# Altium PCB LimeKEY-RPCM_1v1.PcbDoc (part 2 of 8) (continued)
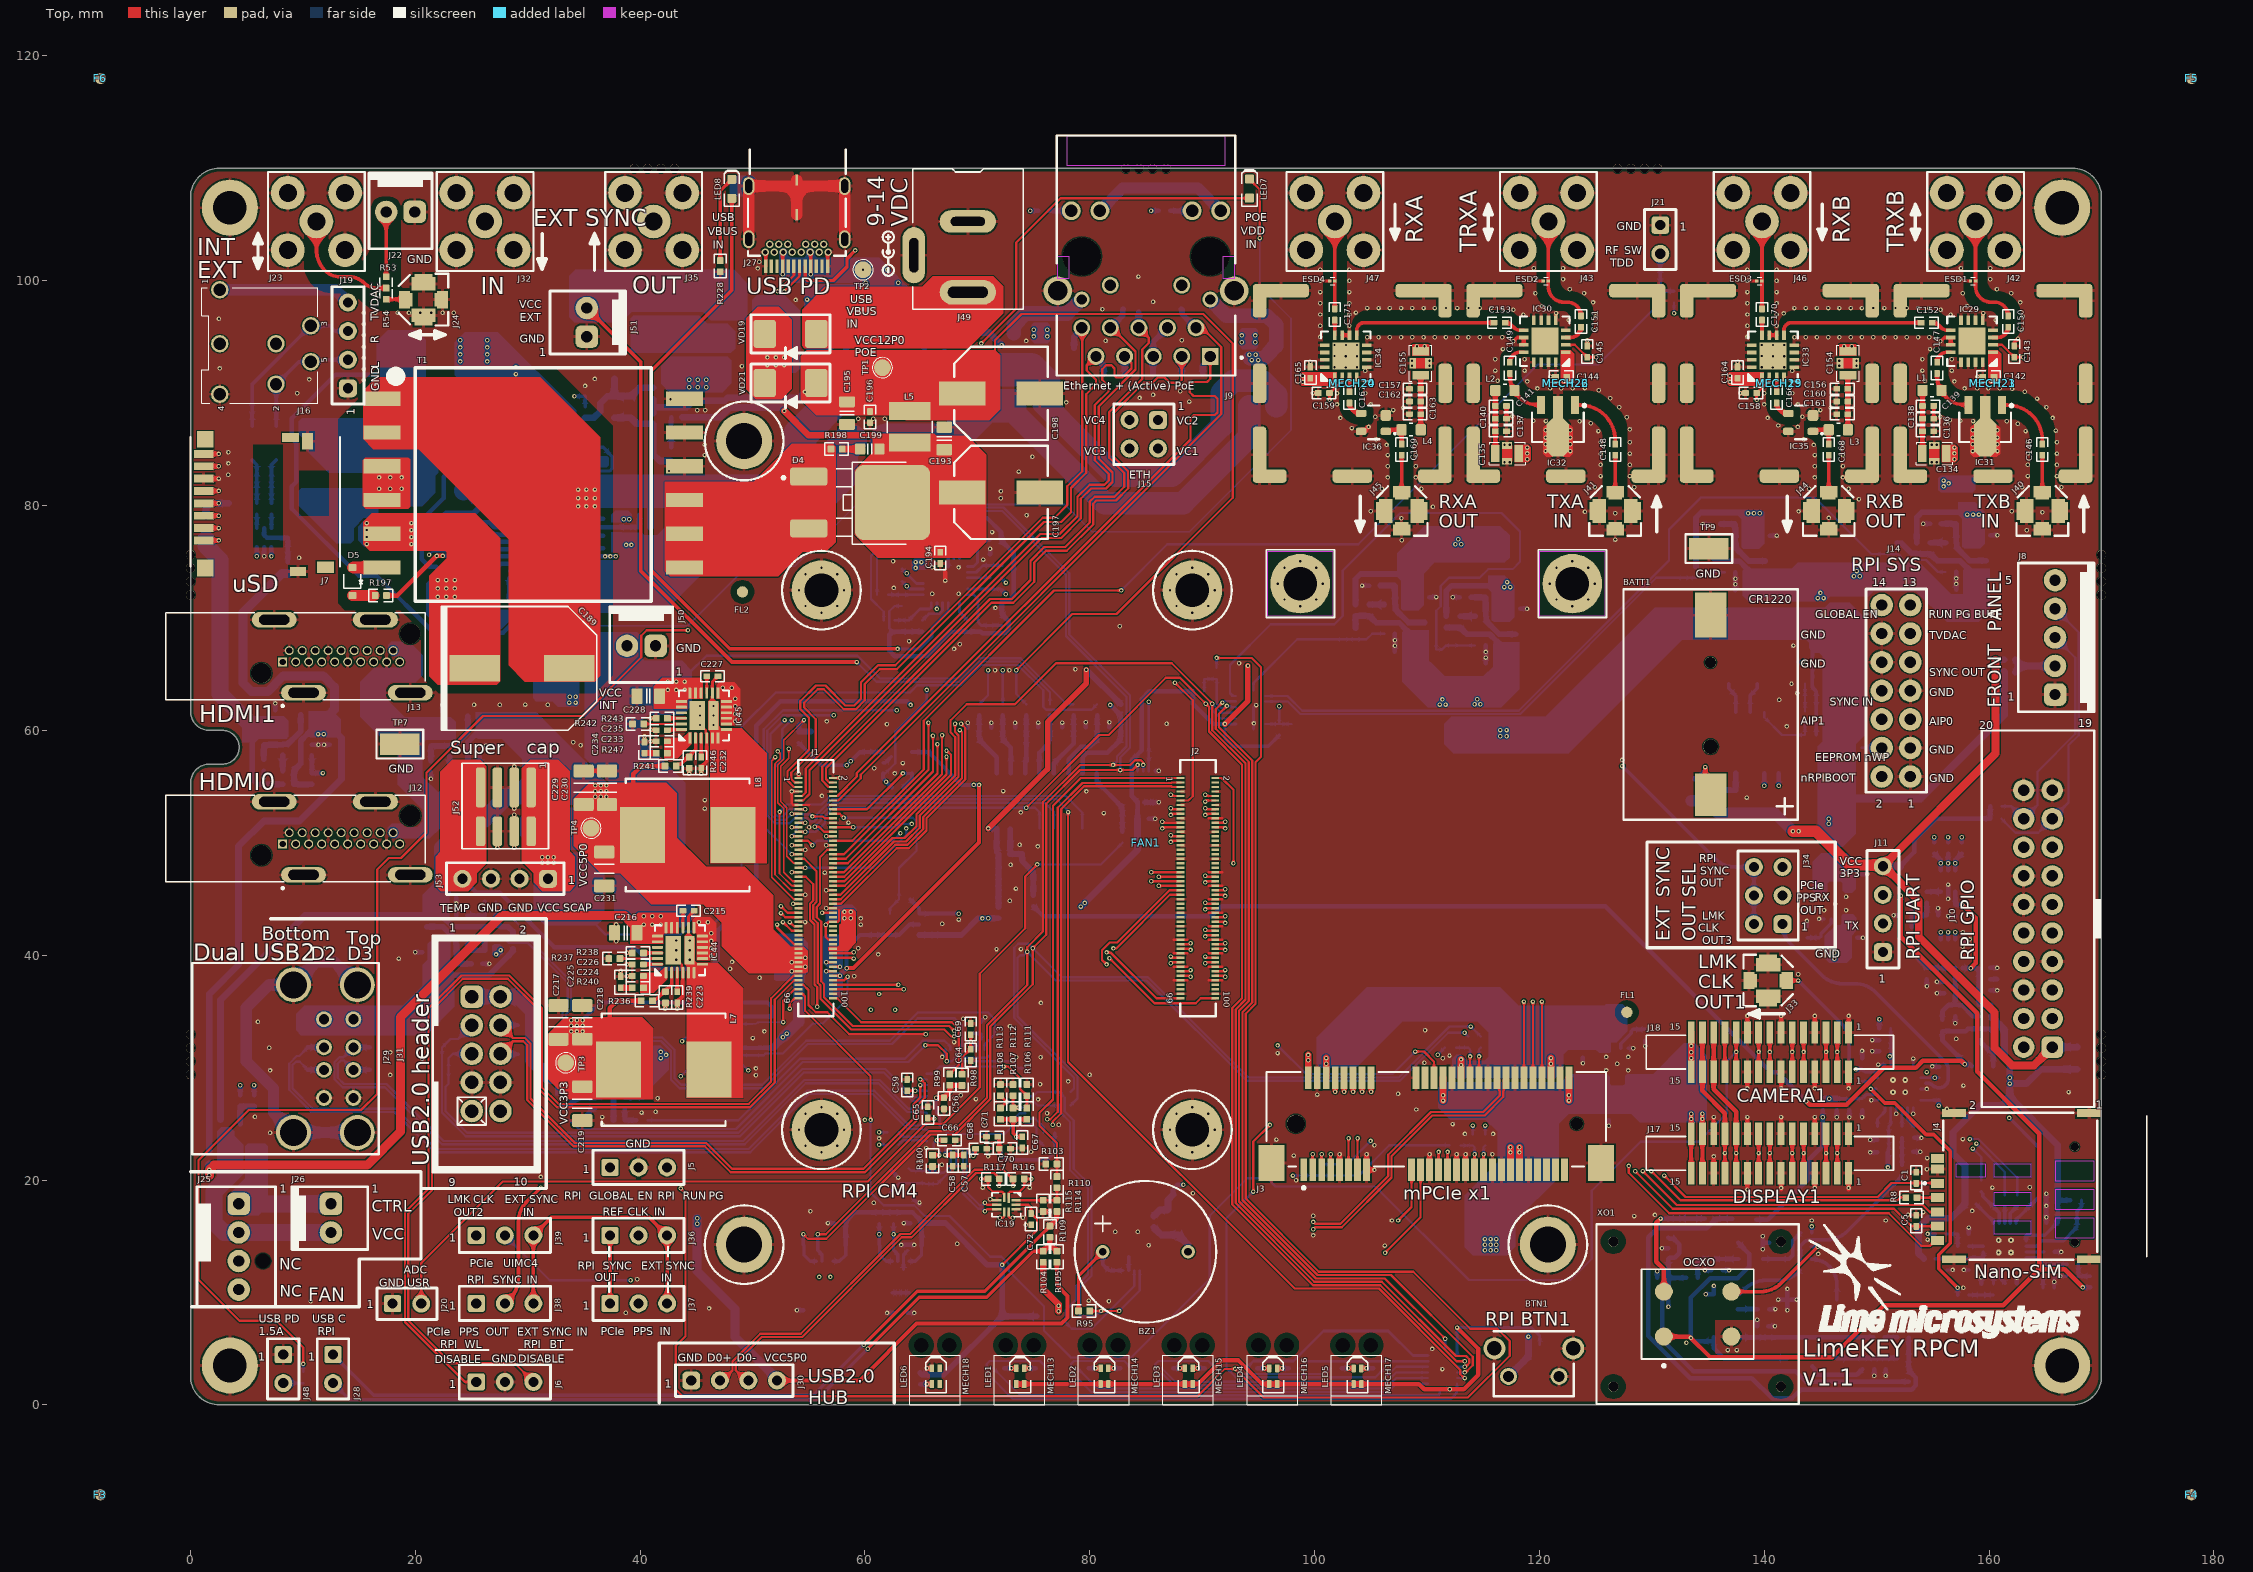
[diagram p0: Top view]
## Footprints (in the part's own frame and the unit in brackets; to place one, negate y for a bottom-side part, rotate by r counter-clockwise, add the part's x,y. Pads: shape width x height; smd on the part's side, far side on the other; paste and mask are expansions set on the pad) (continued)
  rrect50% 2x2 hole 1: 1(3.814,0)
  round 2 hole 1: 2(1.271,0) 3(-1.271,0) 4(-3.814,0)
  silkscreen extent -5.34,-3.28 5.34,3.7, body extent -5.1,-2.54 5.1,3.3, height 9.84
Header1x5_TH_LOCKING [mm]
  rrect50% 2x2 hole 1: 1(5.086,0)
  round 2 hole 1: 2(2.543,0) 3(0,0) 4(-2.543,0) 5(-5.086,0)
  silkscreen extent -6.61,-3.28 6.61,3.45, body extent -6.35,-2.9 6.35,2.9, height 11.52
HEADER2X2_TH [mm]
  rrect50% 1.6x1.6 hole 0.9: 1(-1.271,-1.271)
  round 1.6 hole 0.9: 2(-1.271,1.271) 3(1.271,-1.271) 4(1.271,1.271)
  silkscreen extent -2.7,-2.68 2.68,2.7, body extent -2.54,-2.54 2.54,2.54, height 8.54
Header3x2 [mm]
  rrect50% 1.6x1.6 hole 0.9: 1(-1.271,-1.271)
  round 1.6 hole 0.9: 2(-1.271,1.271) 3(1.271,-1.271) 4(1.271,1.271) 5(3.814,-1.271) 6(3.814,1.271)
  silkscreen extent -2.68,-2.68 5.23,2.68, body extent -2.54,-2.54 5.08,2.54, height 8.54
HEADER4X1_TH [mm]
  rrect50% 1.6x1.6 hole 0.9: 1(-3.814,0)
  round 1.6 hole 0.9: 2(-1.271,0) 3(1.271,0) 4(3.814,0)
  silkscreen extent -5.23,-1.43 5.23,1.4, body extent -5.08,-1.27 5.08,1.27, height 8.54
Header5x2_TH [mm]
  rrect50% 2x2 hole 1.2: 1(-5.086,-1.271)
  round 2 hole 1.2: 2(-5.086,1.271) 3(-2.543,-1.271) 4(-2.543,1.271) 5(0,-1.271) 6(0,1.271) 7(2.543,-1.271) 8(2.543,1.271) 9(5.086,-1.271) 10(5.086,1.271)
  silkscreen extent -10.5,-4.75 10.5,4.75, body extent -10.18,-4.44 10.14,4.45, height 9.55
Header7x2_TH [mm] "JTAG"
  round 2 hole 1: 1(-7.629,-1.271) 2(-7.629,1.271) 3(-5.086,-1.271) 4(-5.086,1.271) 5(-2.543,-1.271) 6(-2.543,1.271) 7(0,-1.271) 8(0,1.271) 9(2.543,-1.271) 10(2.543,1.271) 11(5.086,-1.271) 12(5.086,1.271) 13(7.629,-1.271) 14(7.629,1.271)
  silkscreen extent -9.03,-2.7 9.04,2.68, body extent -8.9,-2.54 8.9,2.54, height 8.54
HEADER10X2_TH_LOCK [mm]
  rrect50% 1.9x1.9 hole 1 mask+0.05: 1(-11.43,-1.27)
  round 1.9 hole 1 mask+0.05: 2(-11.43,1.27) 3(-8.89,-1.27) 4(-8.89,1.27) 5(-6.35,-1.27) 6(-6.35,1.27) 7(-3.81,-1.27) 8(-3.81,1.27) 9(-1.27,-1.27) 10(-1.27,1.27) 11(1.27,-1.27) 12(1.27,1.27) 13(3.81,-1.27) 14(3.81,1.27) 15(6.35,-1.27) 16(6.35,1.27) 17(8.89,-1.27) 18(8.89,1.27) 19(11.43,-1.27) 20(11.43,1.27)
  silkscreen extent -16.75,-5.6 16.75,5, body extent -16.51,-4.5 16.51,4.6, height 9
HWSON8_LM75 [mm]
  rect 0.625x0.25 smd mask+0.05: 1(-1.4,0.75) 2(-1.4,0.25) 3(-1.4,-0.25) 4(-1.4,-0.75) 5(1.4,-0.75) 6(1.4,-0.25) 7(1.4,0.25) 8(1.4,0.75)
  rect 1.6x1.6 smd mask+0.05: 9(0,0)
  silkscreen extent -1.9,-1.63 1.9,1.6, body extent -1.51,-1.5 1.51,1.5, height 0.8
IRF9358TRPBF_DUAL_NMOS_SOIC8 [mm] "8-Pin Small Outline Integrated Circuit 1.27 mm Pitch"
  oval 1.7x0.6 smd mask+0.05: 1(-2.55,1.905) 2(-2.55,0.635) 3(-2.55,-0.635) 4(-2.55,-1.905) 5(2.55,-1.905) 6(2.55,-0.635) 7(2.55,0.635) 8(2.55,1.905)
  silkscreen extent -2.57,-2.5 1.2,2.88, body extent -3,-2.45 3,2.45, height 1.75
KMB210S_RECTIFIER_BRIDGE [mm]
  rect 0.9x1.84 smd mask+0.05: 1(1.2,3) 2(-1.2,3) 3(-1.2,-3) 4(1.2,-3)
  Top pour cut-out: -2.5,-1.3 -2.5,1.3 2.525,1.3 2.525,-1.3
  silkscreen extent -3.28,-2.97 3.29,3.46, body extent -2.31,-3.35 2.41,3.35, height 2.71
LED-2x0603 [mm]
  round 0.254 on Mech15: 0(0,0)
  rrect25% 0.7x0.4 smd: 1(-0.775,0.325) 2(-0.775,-0.375) 3(0.625,0.325) 4(0.625,-0.375)
  Top pour cut-out: -0.5,0.5 0.5,0.5 0.5,-0.5 -0.5,-0.5
  silkscreen extent -1.55,-0.95 1.68,0.9, body extent -0.8,-0.42 0.8,0.38, height 0.75
LED-0603-GREEN [mm]
  round 0.254 on Mech15: 0(0,0)
  rrect25% 0.8x0.8 smd: A(-0.85,0) K(0.85,0)
  Top pour cut-out: -0.5,0.5 0.5,0.5 0.5,-0.5 -0.5,-0.5
  silkscreen extent -1.55,-0.67 1.68,0.67, body extent -0.8,-0.4 0.8,0.4, height 0.75
LIGHT_PIPE_RIGHT_ANGLE_SLP3-200-100-F [mm]
  round 0.9 hole 1.3 unplated: 0(0,1.225) 0(0,-1.275)
  Top pour cut-out: 0,-1.275 -1.1,-1.275 -1.1,-1.166 -1.058,-0.954 -0.975,-0.754 -0.854,-0.573 -0.701,-0.42 -0.521,-0.3 -0.321,-0.217 -0.108,-0.175 0,-0.175 0,-0.175
  Top pour cut-out: 0,-1.275 1.1,-1.275 1.1,-1.383 1.058,-1.595 0.975,-1.796 0.854,-1.976 0.701,-2.129 0.521,-2.249 0.321,-2.332 0.108,-2.375 0,-2.375 0,-2.375
  Top pour cut-out: 0,-1.275 0,-2.375 -0.108,-2.375 -0.321,-2.332 -0.521,-2.249 -0.701,-2.129 -0.854,-1.976 -0.975,-1.796 -1.058,-1.595 -1.1,-1.383 -1.1,-1.275 -1.1,-1.275
  Top pour cut-out: 0,-1.275 0,-0.175 0.108,-0.175 0.321,-0.217 0.521,-0.3 0.701,-0.42 0.854,-0.573 0.975,-0.754 1.058,-0.954 1.1,-1.166 1.1,-1.275 1.1,-1.275
  Top pour cut-out: 0,1.225 -1.1,1.225 -1.1,1.334 -1.058,1.546 -0.975,1.746 -0.854,1.927 -0.701,2.08 -0.521,2.2 -0.321,2.283 -0.108,2.325 0,2.325 0,2.325
  Top pour cut-out: 0,1.225 1.1,1.225 1.1,1.117 1.058,0.905 0.975,0.704 0.854,0.524 0.701,0.371 0.521,0.251 0.321,0.168 0.108,0.125 0,0.125 0,0.125
  Top pour cut-out: 0,1.225 0,0.125 -0.108,0.125 -0.321,0.168 -0.521,0.251 -0.701,0.371 -0.854,0.524 -0.975,0.704 -1.058,0.905 -1.1,1.117 -1.1,1.225 -1.1,1.225
  Top pour cut-out: 0,1.225 0,2.325 0.108,2.325 0.321,2.283 0.521,2.2 0.701,2.08 0.854,1.927 0.975,1.746 1.058,1.546 1.1,1.334 1.1,1.225 1.1,1.225
  silkscreen extent 0.89,-2.29 5.3,2.21, body extent -1.07,-2.32 7.82,2.21, height 6.62
LMK00105SQ [mm] "QFN, 24-Leads, Body 4,00x4,00mm, Pitch 0,50mm, Thermal Pad 2,60x2,60mm, IPC Medium Density"
  oval 0.9x0.25 smd mask+0.05: 1(-1.925,1.25) 2(-1.925,0.75) 3(-1.925,0.25) 4(-1.925,-0.25) 5(-1.925,-0.75) 6(-1.925,-1.25) 13(1.925,-1.25) 14(1.925,-0.75) 15(1.925,-0.25) 16(1.925,0.25) 17(1.925,0.75) 18(1.925,1.25)
  oval 0.25x0.9 smd mask+0.05: 7(-1.25,-1.925) 8(-0.75,-1.925) 9(-0.25,-1.925) 10(0.25,-1.925) 11(0.75,-1.925) 12(1.25,-1.925) 19(1.25,1.925) 20(0.75,1.925) 21(0.25,1.925) 22(-0.25,1.925) 23(-0.75,1.925) 24(-1.25,1.925)
  rect 2.5x2.5 smd mask+0.05: 25(0,0)
  silkscreen extent -2.3,-2.3 2.3,2.3, body extent -2,-2 2,2, height 1
M24128-DFMC6TG [mm] "8-UFDFPN (2x3)"
  rect 0.65x0.3 smd mask+0.045: 1(-1.4,0.75) 2(-1.4,0.25) 3(-1.4,-0.25) 4(-1.4,-0.75) 5(1.4,-0.75) 6(1.4,-0.25) 7(1.4,0.25) 8(1.4,0.75)
  rect 1.7x1.7 smd mask+0.05: PAD(0,0)
  silkscreen extent -2.06,-1.1 0.9,1.1, body extent -1.52,-1.01 1.52,0.99, height 0.9
MCP3208-CI/SL_SOIC16 [mm] "SOIC, 16-Leads, Body 9.9x3.9mm, Pitch 1.27mm, IPC Low Density"
  oval 2.5x0.7 smd: 1(-2.45,4.445) 2(-2.45,3.175) 3(-2.45,1.905) 4(-2.45,0.635) 5(-2.45,-0.635) 6(-2.45,-1.905) 7(-2.45,-3.175) 8(-2.45,-4.445) 9(2.45,-4.445) 10(2.45,-3.175) 11(2.45,-1.905) 12(2.45,-0.635) 13(2.45,0.635) 14(2.45,1.905) 15(2.45,3.175) 16(2.45,4.445)
  silkscreen extent -2.57,-5 0.8,5.47, body extent -3,-4.95 3,4.95, height 1.4
MICRO_SD_CARD_114-00841-68_v2 [mm]
  rect 0.7x1.75 smd mask+0.1: 1(3.2,-5.412) 6(-2.3,-5.412)
  rect 0.701x1.753 smd mask+0.1: 2(2.1,-5.412) 8(-4.5,-5.412)
  rect 0.701x1.752 smd mask+0.1: 3(1,-5.412) 4(-0.1,-5.412) 5(-1.2,-5.412) 7(-3.4,-5.412)
  rect 1.501x1.501 smd mask+0.1: 9(-5.8,-5.288)
  rect 1.502x1.502 smd mask+0.1: 10(5.65,-5.288)
  rect 0.801x1.501 smd mask+0.1: 11(-5.975,2.312)
  rect 0.8x1.401 smd mask+0.1: 12(5.975,2.963)
  rect 1.5x1 smd mask+0.1: 13(-5.62,3.812)
  rect 1.001x1.502 smd mask+0.1: 14(5.575,5.413)
  Top pour cut-out: 3.8,-1 -5.3,-1 -5.3,1.6 3.8,1.6
  Top pour cut-out: 1,3.1 -3,3.1 -3,5.7 1,5.7
  silkscreen extent -6,-6.6 5.5,6.7, body extent -6,-9.9 6,5.75, height 1.6
MINIPCIE_CONNECTOR_XTRX [mm]
  rect 0.6x2 smd paste+0 mask+0: 1(-11.8,-4.5) 2(-11.4,3.7) 3(-11,-4.5) 4(-10.6,3.7) 5(-10.2,-4.5) 6(-9.8,3.7) 7(-9.4,-4.5) 8(-9,3.7) 9(-8.6,-4.5) 10(-8.2,3.7) 11(-7.8,-4.5) 12(-7.4,3.7) 13(-7,-4.5) 14(-6.6,3.7) 15(-6.2,-4.5) 16(-5.8,3.7) 17(-2.2,-4.5) 18(-1.8,3.7) 19(-1.4,-4.5) 20(-1,3.7) 21(-0.6,-4.5) 22(-0.2,3.7) 23(0.2,-4.5) 24(0.6,3.7) 25(1,-4.5) 26(1.4,3.7) 27(1.8,-4.5) 28(2.2,3.7) 29(2.6,-4.5) 30(3,3.7) 31(3.4,-4.5) 32(3.8,3.7) 33(4.2,-4.5) 34(4.6,3.7) 35(5,-4.5) 36(5.4,3.7) 37(5.8,-4.5) 38(6.2,3.7) 39(6.6,-4.5) 40(7,3.7) 41(7.4,-4.5) 42(7.8,3.7) 43(8.2,-4.5) 44(8.6,3.7) 45(9,-4.5) 46(9.4,3.7) 47(9.8,-4.5) 48(10.2,3.7) 49(10.6,-4.5) 50(11,3.7) 51(11.4,-4.5) 52(11.8,3.7)
  rect 2.3x3.2 smd paste+0 mask+0: 53(-14.65,-3.9) 54(14.65,-3.9)
  round 5.3 hole 3: MH1(-12.1,47.65) MH2(12.1,47.65)
  round 1.6 hole 1.6 unplated paste-1000 mask+0: ""(-12.5,-0.4)
  round 1.1 hole 1.1 unplated paste-1000 mask+0: ""(12.5,-0.4)
  KeepOutLayer region: -9.2,44.75 -15,44.75 -15,50.55 -9.2,50.55 hole: -12.1,48.961 -12.439,48.917 -12.756,48.786 -13.027,48.577 -13.236,48.306 -13.367,47.989 -13.411,47.65 -13.367,47.311 -13.236,46.994 -13.027,46.723 -12.756,46.514 -12.439,46.383 -12.1,46.339 -11.761,46.383 -11.444,46.514 -11.173,46.723 -10.964,46.994 -10.833,47.311 -10.789,47.65 -10.833,47.989 -10.964,48.306 -11.173,48.577 -11.444,48.786 -11.761,48.917
  KeepOutLayer region: 9.2,44.75 9.2,50.55 15,50.55 15,44.75 hole: 13.411,47.65 13.367,47.989 13.236,48.306 13.027,48.577 12.756,48.786 12.439,48.917 12.1,48.961 11.761,48.917 11.444,48.786 11.173,48.577 10.964,48.306 10.833,47.989 10.789,47.65 10.833,47.311 10.964,46.994 11.173,46.723 11.444,46.514 11.761,46.383 12.1,46.339 12.439,46.383 12.756,46.514 13.027,46.723 13.236,46.994 13.367,47.311
  silkscreen extent -15.1,-6.22 15.1,4.2, body extent -15.19,-4.98 15.35,50.4, height 6.63
MMCX_UFL_conn_u [mm]
  rect 1.55x1 smd mask+0.05: 1(0,1.7) 2(0,-1.7)
  rect 1.2x1.2 smd mask+0.05: 1(0,1.6) 2(0,-1.6)
  rect 1.2x1.6 smd mask+0.05: 2(-1.7,0) 2(1.7,0)
  rect 1.2x2.15 smd mask+0.05: 2(-1.4,0) 2(1.4,0)
  silkscreen extent -2.3,-2.2 2.3,2.2, body extent -1.5,-1.55 1.5,1.55, height 1.25
NANO_SIM_SIM8066-6-1-14-01-A [mm]
  rect 0.8x1.14 smd mask+0.05: C1(0.25,7.37) C2(-2.29,7.37) C3(-4.83,7.37) C6(-1.02,7.37) C7(-3.56,7.37)
  rect 0.8x1.14 smd mask+0.1: C5(1.52,7.37) CD(2.47,7.37)
  rect 0.7x2.1 smd: G1(-6.5,5.89) G2(6.5,5.89) G3(-6.5,-6.11) G4(6.5,-6.11)
  round 0.75 hole 0.75 unplated mask+0: ""(-5,-4.86) ""(3.5,-4.86)
  Top keep-out region: 2,3.135 0.8,3.135 0.8,5.685 2,5.685
  Top keep-out region: -3.08,-0.915 -4.28,-0.915 -4.28,2.295 -3.08,2.295
  Top keep-out region: -0.54,-0.915 -1.74,-0.915 -1.74,2.295 -0.54,2.295
  Top keep-out region: 2,-0.915 0.8,-0.915 0.8,2.295 2,2.295
  Top keep-out region: 2.285,-6.56 0.435,-6.56 0.435,-3.16 2.285,-3.16
  Top keep-out region: -0.255,-6.56 -2.105,-6.56 -2.105,-3.16 -0.255,-3.16
  Top keep-out region: -2.795,-6.56 -4.645,-6.56 -4.645,-3.16 -2.795,-3.16
  silkscreen extent -6.55,-11.25 6.55,8.59, body extent -6.54,-7.19 6.55,7.39, height 1.44
NCP1083_PoE_controller_TSSOP20 [mm]
  rect 1.6x0.36 smd mask+0.05: 1(-3.004,2.925) 2(-3.004,2.275) 3(-3.004,1.625) 4(-3.004,0.975) 5(-3.004,0.325) 6(-3.004,-0.325) 7(-3.004,-0.975) 8(-3.004,-1.625) 9(-3.004,-2.275) 10(-3.004,-2.925) 11(3.004,-2.925) 12(3.004,-2.275) 13(3.004,-1.625) 14(3.004,-0.975) 15(3.004,-0.325) 16(3.004,0.325) 17(3.004,0.975) 18(3.004,1.625) 19(3.004,2.275) 20(3.004,2.925)
  rect 3.1x4.3 smd mask+0.05: PAD(0,0)
  silkscreen extent -3.9,-3.38 2.06,3.6, body extent -3.2,-3.25 3.2,3.25, height 1.2
NRS4018T3R3MDGJ_inductor [mm]
  rect 1.6x3.7 smd mask+0.05: 1(-1.4,0) 2(1.4,0)
  silkscreen extent -0.5,-2 0.5,2, body extent -2,-2 2,2, height 1.89
NZH10C,115_shottky_diode_SOD123 [mm]
  round 0.508 on Mech14: 0(0,0)
  rrect25% 0.91x1.22 smd: A(1.65,0) C(-1.65,0)
  silkscreen extent -1.58,-1 1.45,0.85, body extent -1.95,-0.9 1.95,0.9, height 1.18
PCB_standoff [mm]
  round 5 hole 3: MH1(0,0)
  body extent -2.86,-2.5 2.91,2.5, height 5.2
PCF85063AT_RTC_SOIC-8 [mm]
  rect 1.525x0.65 smd: 1(-2.712,1.905) 2(-2.712,0.635) 3(-2.712,-0.635) 4(-2.712,-1.905) 5(2.712,-1.905) 6(2.712,-0.635) 7(2.712,0.635) 8(2.712,1.905)
  silkscreen extent -2.58,-2.45 1.6,2.83, body extent -3,-2.45 3,2.45, height 1.75
POE300F50LD_TRANSFORMER [mm]
  rect 3.3x1.27 smd: 1(-13.46,7.5) 2(-13.46,4.5) 3(-13.46,1.5) 4(-13.46,-1.5) 5(-13.46,-4.5) 6(-13.46,-7.5) 7(13.46,-7.5) 8(13.46,-4.5) 9(13.46,-1.5) 10(13.46,1.5) 11(13.46,4.5) 12(13.46,7.5)
  silkscreen extent -12.6,-10.5 10.5,10.25, body extent -14.2,-10.41 14.45,10.16, height 11.44
RAKON_RPT7050A [mm] "Rakon's Pluto+ ASIC"
  rect 1.5x1.2 smd: 1(2.45,2.2) 2(-2.75,2.2) 4(-2.75,-2.2) 5(2.45,-2.2)
  rect 1.4x0.9 smd: 3(-3.2,0) 6(3.2,0)
  body extent 4.15,1.8 4.25,1.9, height 0.1
RAKON_RTX5032A [mm] "RAKON RTX5032A 40MHz Filter enabled, with VC, 10pin 5mm x 3.2mm"
  rect 1.35x1 smd mask+0.05: 1(-1.925,-1.15) 4(1.925,-1.15) 6(1.925,1.15) 9(-1.925,1.15)
  rect 0.7x1.35 smd paste-2 mask+0.05: 2(-0.6,-0.975) 3(0.6,-0.975) 7(0.6,0.975) 8(-0.6,0.975)
  rect 1.35x0.7 smd paste-2 mask+0.05: 5(1.925,0) 10(-1.925,0)
  silkscreen extent -3.2,-2.25 2.8,1.85, body extent -2.5,-1.6 2.5,1.6, height 0.9
RAKON_TXCO [mm] "30.72 MHz or 61.44 MHz"
  rect 1.5x1.2 smd: 1(2.45,2.2) 2(-2.75,2.2) 3(-2.75,-2.2) 4(2.45,-2.2)
  body extent -3.5,-2.3 3.2,2.3, height 2.4
RES0402#1 [mm] "Chip Resistor, Body 1.0x0.5mm, EIA 0402, IPC Medium Density"
  round 0.2 on Mech14: 0(0,0)
  rrect20% 0.6x0.6 smd: 1(-0.5,0) 2(0.5,0)
  Top pour cut-out: -0.2,0.35 0.2,0.35 0.2,-0.35 -0.2,-0.35
  silkscreen extent -1.05,-0.55 1.05,0.55, body extent -0.52,-0.27 0.53,0.28, height 0.4
RES0402#2 [mm] "Chip Resistor, Body 1.0x0.5mm, EIA 0402, IPC Medium Density"
  round 0.2 on Mech15: 0(0,0)
  rrect20% 0.6x0.6 smd: 1(-0.5,0) 2(0.5,0)
  Top pour cut-out: -0.2,0.35 0.2,0.35 0.2,-0.35 -0.2,-0.35
  silkscreen extent -1.05,-0.55 1.05,0.55, body extent -0.52,-0.27 0.53,0.28, height 0.4
RES0402_v2#1 [mm] "Chip Resistor, Body 1.0x0.5mm, EIA 0402, IPC Medium Density"
  round 0.2 on Mech14: 0(0,0)
  rrect20% 0.6x0.6 smd: 1(-0.5,0) 2(0.5,0)
  Top pour cut-out: -0.2,0.35 0.2,0.35 0.2,-0.35 -0.2,-0.35
  silkscreen extent -0.4,-0.55 0.4,0.55, body extent -0.52,-0.27 0.53,0.28, height 0.4
RES0402_v2#2 [mm] "Chip Resistor, Body 1.0x0.5mm, EIA 0402, IPC Medium Density"
  round 0.2 on Mech15: 0(0,0)
  rrect20% 0.6x0.6 smd: 1(-0.5,0) 2(0.5,0)
  Top pour cut-out: -0.2,0.35 0.2,0.35 0.2,-0.35 -0.2,-0.35
  silkscreen extent -0.4,-0.55 0.4,0.55, body extent -0.52,-0.27 0.53,0.28, height 0.4
RES0603#1 [mm] "Chip Resistor, Body 1.6x0.8mm, 0603, IPC Medium Density"
  round 0.254 on Mech15: 0(0,0)
  rrect25% 0.9x1 smd: 1(-0.85,0) 2(0.85,0)
  Top pour cut-out: -0.4,0.6 0.4,0.6 0.4,-0.6 -0.4,-0.6
  silkscreen extent -0.15,-0.56 0.15,0.56, body extent -0.87,-0.47 0.88,0.48, height 0.54
RES0603#2 [mm] "Chip Resistor, Body 1.6x0.8mm, 0603, IPC Medium Density"
  round 0.254 on Mech14: 0(0,0)
  rrect25% 0.9x1 smd: 1(-0.85,0) 2(0.85,0)
  Top pour cut-out: -0.4,0.6 0.4,0.6 0.4,-0.6 -0.4,-0.6
  silkscreen extent -0.15,-0.56 0.15,0.56, body extent -0.87,-0.47 0.88,0.48, height 0.54
RES0805 [mm] "Chip Resistor, Body 2.0x1.2mm, 0805, IPC Medium Density"
  round 0.254 on Mech14: 0(0,0)
  rrect25% 0.8x1.3 smd: 1(-1,0) 2(1,0)
  Top pour cut-out: -0.6,0.75 0.6,0.75 0.6,-0.75 -0.6,-0.75
  silkscreen extent -0.38,-0.64 0.38,0.64, body extent -1.1,-0.67 1.1,0.68, height 0.69
RES2512 [mm]
  rrect50% 1.6x3.65 smd mask+0.05: 1(-3.1,0) 2(3.1,0)
  silkscreen extent -4.1,-2.1 4.1,2.1, body extent -3.16,-1.6 3.16,1.6, height 0.62
RF_SHIELD_COVER_16Px916P9_2118715-2 [mm]
  body extent -8.45,-8.45 8.45,8.45, height 4
RF_SHIELD_FRAME_16P5x16P5_2118716-2_v1 [mm]
  rrect50% 1.2x3.5 smd mask+0.05: 1(-8.25,0) 1(8.25,0)
  rrect50% 1.2x5 smd mask+0.05: 1(-8.25,-6.35) 1(8.25,-6.35)
  rrect50% 1.2x3 smd mask+0.05: 1(-8.25,7.35) 1(8.25,7.35)
  rrect50% 3x1.2 smd mask+0.05: 1(-7.35,-8.25) 1(7.35,-8.25)
  rrect50% 5x1.2 smd mask+0.05: 1(-6.35,8.25) 1(6.35,8.25)
  rrect50% 3.5x1.2 smd mask+0.05: 1(0,-8.25)
  body extent -8.25,-8.25 8.25,8.25, height 3.6
RJ45_ETHERNET_MAG_A70-112-331N126 [mm]
  rect 1.508x1.508 hole 1: 1(-5.715,6.475)
  round 1.508 hole 1: 2(-4.445,3.935) 3(-3.175,6.475) 4(-1.905,3.935) 5(-0.635,6.475) 6(0.635,3.935) 7(1.905,6.475) 8(3.175,3.935) 9(4.445,6.475) 10(5.715,3.935) 12(-3.175,0.145) 13(3.175,0.145)
  round 1.408 hole 0.9: 11(-5.715,1.415) 14(5.715,1.415)
  round 1.68 hole 1.12: 15(-6.64,-6.475) 16(-4.1,-6.475) 17(4.1,-6.475) 18(6.64,-6.475)
  round 2.55 hole 1.7: S1(-7.85,0.635) S2(7.85,0.635)
  round 3.35 hole 3.4 unplated: ""(-5.715,-2.415) ""(5.715,-2.415)
  KeepOutLayer region: -6.875,-2.415 -7.85,-2.415 -7.85,-0.415 -6.875,-0.415
  KeepOutLayer region: 7.85,-2.415 6.875,-2.415 6.875,-0.415 7.85,-0.415
  KeepOutLayer region: 7.005,-13.165 -7.005,-13.165 -7.005,-10.465 7.005,-10.465
  silkscreen extent -8.6,-13.16 7.95,8.19, body extent -8.07,-13.29 8.13,8.21, height 13.65
SBB-5089_RF_AMP_SOT89 [mm]
  rect 1.6x0.711 smd: 1(-2,1.5) 3(-2,-1.5)
  rect 2x0.914 smd: 2(-1.8,0)
  oct 3.4x2 smd: 4(0.9,0)
  silkscreen extent -2.07,-2.3 1.3,2.48, body extent -2.41,-2.29 1.84,2.31, height 1.59
SC-70_NC7WZ16P6X [mm] "SC-70 (SOT323), 6 pin"
  round 0.5 on Mech14: 0(0,0)
  rrect25% 0.7x0.45 smd: 1(-0.85,0.65) 2(-0.85,0) 3(-0.85,-0.65) 4(0.85,-0.65) 5(0.85,0) 6(0.85,0.65)
  silkscreen extent -1.15,-1.1 0.3,1.5, body extent -1.05,-1 1.05,1, height 0.92
SK32A-L_DIODE_DO-214AC#1 [mm]
  round 0.508 on Mech14: 0(0,0)
  rrect25% 2x2.5 smd: A(2.3,0) K(-2.3,0)
  silkscreen extent -3.5,-2.2 3.5,1.7, body extent -2.7,-1.8 2.7,1.8, height 2.3
SK32A-L_DIODE_DO-214AC#2 [mm]
  round 0.508 on Mech15: 0(0,0)
  rrect25% 2x2.5 smd: A(2.3,0) K(-2.3,0)
  silkscreen extent -3.5,-2.2 3.5,1.7, body extent -2.7,-1.8 2.7,1.8, height 2.3
SKY13286-359LF_RF_switch_QFN16 [mm]
  rect 0.85x0.33 smd mask+0.05: 1(-1.875,0.975) 2(-1.875,0.325) 3(-1.875,-0.325) 4(-1.875,-0.975) 9(1.875,-0.975) 10(1.875,-0.325) 11(1.875,0.325) 12(1.875,0.975)
  rect 0.33x0.85 smd mask+0.05: 5(-0.975,-1.875) 6(-0.325,-1.875) 7(0.325,-1.875) 8(0.975,-1.875) 13(0.975,1.875) 14(0.325,1.875) 15(-0.325,1.875) 16(-0.975,1.875)
  rect 2.4x2.4 smd mask+0.05: PAD(0,0)
  silkscreen extent -2.2,-2.2 2.2,2.2, body extent -2,-2 2,2, height 0.92
SMA_connector_side [mm]
  round 3 hole 1.6: 1(0,0) 2(-2.55,2.55) 2(-2.55,-2.55) 2(2.55,-2.55) 2(2.55,2.55)
  silkscreen extent -4.4,-4.3 4.4,4.3, body extent -15.8,-3.2 3.2,3.2, height 9.6
SMAJ12CA-13-F [mm]
  rect 2.5x1.7 smd: A(-2.05,0) K(1.95,0)
  silkscreen extent -3.7,-1.83 3.6,1.45, body extent -2.65,-1.3 2.65,1.3, height 1.79
SMAJ58A_SHOTTKY_DIODE [mm]
  rrect50% 1.7x2 smd mask+0.05: A(-2,0) K(2,0)
  silkscreen extent -3.1,-1.45 3.13,1.3, body extent -2.65,-1.3 2.65,1.3, height 2.89
SMBJ100A_DIODE_DO-214AA [mm]
  round 0.508 on Mech14: 0(0,0)
  rrect25% 2x2.5 smd: A(2.3,0) C(-2.3,0)
  silkscreen extent -3.5,-2.2 3.5,1.7, body extent -2.7,-1.8 2.7,1.8, height 2.3
SOD323 [mm] "SOD-323; 2 Leads; Body 1.8 x 1.35 mm, (LxW)"
  round 0.508 on Mech14: 0(0,0)
  rrect25% 0.6x0.7 smd: A(1.25,0) K(-1.25,0)
  silkscreen extent -0.63,-0.9 0.64,0.75, body extent -1.3,-0.68 1.3,0.67, height 1.1
SOIC127P600-8DL_v2 [mm] "8-Pin Small Outline Integrated Circuit 1.27 mm Pitch"
  oval 1.7x0.6 smd: 1(-2.95,1.905) 2(-2.95,0.635) 3(-2.95,-0.635) 4(-2.95,-1.905) 5(2.85,-1.905) 6(2.85,-0.635) 7(2.85,0.635) 8(2.85,1.905)
  silkscreen extent -2.57,-2.5 1.2,2.88, body extent -3,-2.45 3,2.45, height 1.75
SOT23-3 [mm] "SOT23, 3 pin"
  round 0.5 on Mech14: 0(0,0)
  rrect25% 1x0.6 smd: D(1.15,0) G(-1.15,0.95) S(-1.15,-0.95)
  silkscreen extent -1.25,-1.45 0.38,1.81, body extent -1.4,-1.45 1.4,1.45, height 1.29
SOT23-3_v2 [mm] "SOT23, 3 pin"
  round 0.5 on Mech14: 0(0,0)
  rrect25% 1x0.6 smd: 1(-1.15,0.95) 2(-1.15,-0.95) 3(1.15,0)
  silkscreen extent -1.25,-1.45 0.38,1.81, body extent -1.4,-1.45 1.4,1.45, height 1.29
SOT23-5 [mm]
  round 0.5 on Mech14: 0(0,0)
  rrect25% 1x0.6 smd: 1(-1.3,0.95) 2(-1.3,0) 3(-1.3,-0.95) 4(1.3,-0.95) 5(1.3,0.95)
  silkscreen extent -1.42,-1.35 0.51,1.81, body extent -1.4,-1.45 1.4,1.45, height 1.44
SOT23-6 [mm]
  round 0.5 on Mech14: 0(0,0)
  rrect25% 1x0.6 smd: 1(-1.3,0.95) 2(-1.3,0) 3(-1.3,-0.95) 4(1.3,-0.95) 5(1.3,0) 6(1.3,0.95)
  silkscreen extent -1.42,-1.35 0.51,1.81, body extent -1.4,-1.45 1.4,1.45, height 1.44
SPF5043Z_SOT-343 [mm]
  rrect50% 0.65x0.95 smd mask+0.05: 1(-0.8,-1.1) 3(0.8,1.1) 4(-0.8,1.1)
  rrect50% 1x0.95 smd mask+0.05: 2(0.625,-1.1)
  silkscreen extent -1.5,-1.92 1.5,0.5, body extent -1.1,-1.1 1.1,1.1, height 1
SW_TACTILE_RIGHT_EDGE [mm] "part number 1825027-5"
  round 1.5 hole 1: 1(-2.25,-1.245) 2(2.25,-1.245)
  round 1.95 hole 1.3: Shield(-3.505,1.245) Shield(3.505,1.245)
  silkscreen extent -3.55,-3 3.56,2.77, body extent -4.2,-5.11 4.2,2.75, height 7
TCMT1107CT_optoisolator [mm]
  rrect50% 1x1.5 smd mask+0.05: 1(-0.635,-3.15) 2(0.635,-3.15) 3(0.635,3.15) 4(-0.635,3.15)
  silkscreen extent -1.55,-4.2 1.55,4.15, body extent -1.3,-3.55 1.3,3.45, height 2.01
TP-SMD-LOW_PROFILE [mm] "SMD test point loop"
  rect 3.5x1.9 smd: 1(0,0)
  silkscreen extent -2.07,-1.28 2.07,1.28, body extent -1.6,-0.8 1.6,0.8, height 2
TP_PAD_1P5MM [mm]
  round 1.5 smd paste-2 mask+0.05: 1(0,0)
  silkscreen extent -0.9,-0.9 0.9,0.9
USB2517-JZX-TR_USB_HUB_QFN64 [mm]
  rrect50% 0.7x0.3 smd mask+0.05: 1(-4.375,3.75) 2(-4.375,3.25) 3(-4.375,2.75) 4(-4.375,2.25) 5(-4.375,1.75) 6(-4.375,1.25) 7(-4.375,0.75) 8(-4.375,0.25) 9(-4.375,-0.25) 10(-4.375,-0.75) 11(-4.375,-1.25) 12(-4.375,-1.75) 13(-4.375,-2.25) 14(-4.375,-2.75) 15(-4.375,-3.25) 16(-4.375,-3.75) 33(4.375,-3.75) 34(4.375,-3.25) 35(4.375,-2.75) 36(4.375,-2.25) 37(4.375,-1.75) 38(4.375,-1.25) 39(4.375,-0.75) 40(4.375,-0.25) 41(4.375,0.25) 42(4.375,0.75) 43(4.375,1.25) 44(4.375,1.75) 45(4.375,2.25) 46(4.375,2.75) 47(4.375,3.25) 48(4.375,3.75)
  rrect50% 0.3x0.7 smd mask+0.05: 17(-3.75,-4.375) 18(-3.25,-4.375) 19(-2.75,-4.375) 20(-2.25,-4.375) 21(-1.75,-4.375) 22(-1.25,-4.375) 23(-0.75,-4.375) 24(-0.25,-4.375) 25(0.25,-4.375) 26(0.75,-4.375) 27(1.25,-4.375) 28(1.75,-4.375) 29(2.25,-4.375) 30(2.75,-4.375) 31(3.25,-4.375) 32(3.75,-4.375) 49(3.75,4.375) 50(3.25,4.375) 51(2.75,4.375) 52(2.25,4.375) 53(1.75,4.375) 54(1.25,4.375) 55(0.75,4.375) 56(0.25,4.375) 57(-0.25,4.375) 58(-0.75,4.375) 59(-1.25,4.375) 60(-1.75,4.375) 61(-2.25,4.375) 62(-2.75,4.375) 63(-3.25,4.375) 64(-3.75,4.375)
  rect 4.7x4.7 smd mask+0.05: PAD(0,0)
  silkscreen extent -4.95,-4.95 4.95,4.95, body extent -4.5,-4.52 4.54,4.52, height 0.9
USB_POWER_DISTR_CYPD3177_QFN24 [mm]
  rect 0.781x0.239 smd paste+0 mask+0.05: 1(-1.966,1.25)
  rrect50% 0.781x0.239 smd paste+0 mask+0.05: 2(-1.966,0.75) 3(-1.966,0.25) 4(-1.966,-0.25) 5(-1.966,-0.75) 6(-1.966,-1.25) 13(1.966,-1.25) 14(1.966,-0.75) 15(1.966,-0.25) 16(1.966,0.25) 17(1.966,0.75) 18(1.966,1.25)
  rrect50% 0.239x0.781 smd paste+0 mask+0.05: 7(-1.25,-1.966) 8(-0.75,-1.966) 9(-0.25,-1.966) 10(0.25,-1.966) 11(0.75,-1.966) 12(1.25,-1.966) 19(1.25,1.966) 20(0.75,1.966) 21(0.25,1.966) 22(-0.25,1.966) 23(-0.75,1.966) 24(-1.25,1.966)
  rect 2.7x2.7 smd mask+0.05: 25(0,0)
  silkscreen extent -2.4,-2.4 2.4,2.4, body extent -2,-2 2,2, height 0.6
USB_typeA_double_USBR-A-D-F-O-TH [mm]
  round 1.4 hole 0.9 mask+0.05: B1(-3.5,-0.13) B2(-1,-0.13) B3(1,-0.13) B4(3.5,-0.13) T1(-3.5,2.49) T2(-1,2.49) T3(1,2.49) T4(3.5,2.49)
  round 3.1 hole 2.4 mask+0.05: SHIELD(-6.57,-2.84) SHIELD(-6.57,2.84) SHIELD(6.57,-2.84) SHIELD(6.57,2.84)
  silkscreen extent -8.5,-11.85 8.5,4.75, body extent -7.8,-13.55 7.8,4.1, height 16.1

## Part data
AT1: library part TCMT1107CT_optoisolator, Case/Package=SSOP, Isolation Voltage=2.5kV, Manufacturer=Renesas, Output Voltage=80V, Package Quantity=50, Supplier Part Number 1=968-PS2801-1-A, ComponentLink1Description=https://www.verical.com/server-webapp/html/getDatasheet?partID=312696, ComponentLink1URL=https://www.verical.com/server-webapp/html/getDatasheet?partID=312696, ComponentLink2Description=https://www.fairchildsemi.com/datasheets/FO/FOD817A.pdf, ComponentLink2URL=https://www.fairchildsemi.com/datasheets/FO/FOD817A.pdf, ComponentLink3Description=http://www.fairchildsemi.com/ds/FO/FOD817A.pdf, ComponentLink3URL=http://www.fairchildsemi.com/ds/FO/FOD817A.pdf, ComponentLink4Description=http://www.fairchildsemi.com/datasheets/FO/FOD817A.pdf, ComponentLink4URL=http://www.fairchildsemi.com/datasheets/FO/FOD817A.pdf, ComponentLink5Description=http://www.mouser.com/ds/2/149/FOD817A-194238.pdf, ComponentLink5URL=http://www.mouser.com/ds/2/149/FOD817A-194238.pdf, ComponentLink6Description=https://www.fairchildsemi.com/datasheets/FO/FOD817D.pdf, ComponentLink6URL=https://www.fairchildsemi.com/datasheets/FO/FOD817D.pdf, ComponentLink7Description=http://www.jameco.com/Jameco/Products/ProdDS/1107109.pdf, ComponentLink7URL=http://www.jameco.com/Jameco/Products/ProdDS/1107109.pdf, ComponentLink8Description=http://www.vishay.com/docs/83510/tcmt1100.pdf, ComponentLink8URL=http://www.vishay.com/docs/83510/tcmt1100.pdf, ComponentLink9Description=http://www.mouser.com/ds/2/427/tcmt1100-103040.pdf, ComponentLink9URL=http://www.mouser.com/ds/2/427/tcmt1100-103040.pdf, ComponentLink10Description=http://www.farnell.com/datasheets/485045.pdf, ComponentLink10URL=http://www.farnell.com/datasheets/485045.pdf, Lead Free="Lead Free", Manufacturer Part Number 1=PS2801-1-A, Number of Channels=1, Number of Circuits=1, Number of Pins=4, Packaging=Bulk, Part Description="Transistor Output Optocouplers OPTOCOUPLER 4-PIN SSOP", Pricing 1="1=1,17000, 10=0,74200, 50=0,74200, 100=0,54900, 1000=0,44800, 10000=0,43300 (USD)", Rise Time=3us, RoHS=Yes, RoHS Compliant=Yes, Stock 1=2813, Supplier 1=Mouser
BATT1: library part CR1220_BATTERY_HOLDER, Manufacturer="MPD (Memory Protection Devices)", Manufacturer Part Number 1=BC501SM, Operating Temperature="-40°C ~ 85°C", Supplier Part Number 1=BC501SM-ND, Battery Cell Size="Coin, 12.0mm", Battery Series=1220, Battery Type, Function="Coin Cell, Holder", Category="Battery Products", ComponentLink1Description=http://www.memoryprotectiondevices.com/datasheets/BC501SM-datasheet.pdf, ComponentLink1URL=http://www.memoryprotectiondevices.com/datasheets/BC501SM-datasheet.pdf, Height Above Board="0.157\" (4.00mm)", Mounting Type="PCB, Surface Mount", Number of Cells=1, Part Description="HOLDER COIN CELL FOR CR1220 SMD", Part Status=Active, Pricing 1="1=0.88, 10=0.81, 100=0.73, 500=0.68, 1000=0.59 (USD)", RoHS="RoHS Compliant", Stock 1=17830, Style="Holder (Open)", Supplier 1=Digi-Key, Termination Style="SMD (SMT) Tab"
BR1 BR2: library part KMB210S_RECTIFIER_BRIDGE, Manufacturer="SMC Diode Solutions", Supplier Part Number 1=1655-KMB210SCT-ND, Manufacturer Part Number 1=KMB210S, Part Description="Bridge Rectifier Single Phase Schottky 100 V Surface Mount MBS", Supplier 1=Digi-Key
BTN1: library part Button_right_edge, Contact Rating @ Voltage="0.05A @ 24VDC", Illumination Type, Color=-, Manufacturer="TE Connectivity ALCOSWITCH Switches", Manufacturer Part Number 1=1825027-5, Operating Force=160gf, Operating Temperature="-35°C ~ 85°C", Supplier Part Number 1=450-1662-ND, Actuator Height off PCB, Vertical=-, Actuator Length, Right Angle=3.86mm, Actuator Material="Polybutylene Terephthalate (PBT)", Actuator Orientation="Side Actuated", Actuator Type=Standard, Category=Switches, Circuit=SPST-NO, ComponentLink1Description=http://www.te.com/commerce/DocumentDelivery/DDEController?Action=srchrtrv&DocNm=1825027&DocType=Customer+Drawing&DocLang=English, ComponentLink1URL=http://www.te.com/commerce/DocumentDelivery/DDEController?Action=srchrtrv&DocNm=1825027&DocType=Customer+Drawing&DocLang=English, Features=-, Illumination=Non-Illuminated, Illumination Voltage (Nominal)=-, Ingress Protection=-, Mechanical Life="100,000 Cycles", Mounting Type="Through Hole, Right Angle", Outline="7.10mm x 7.00mm", Packaging=Bulk, Part Description="Tactile Switch SPST-NO Side Actuated Through Hole, Right Angle", Part Status=Active, Pricing 1="1=0.17, 10=0.169, 25=0.1628, 50=0.157, 100=0.1482, 250=0.13952, 500=0.1337, 1000=0.10173, 5000=0.08429 (USD)", RoHS="RoHS Compliant", Stock 1=19790, Supplier 1=Digi-Key, Switch Function=Off-Mom, Switch Travel=0.25mm, Termination Style="PC Pin"
BZ1: library part BUZZER_WST-1203UX, Current - Supply=30mA, Frequency=2.3kHz, Manufacturer="Soberton Inc.", Operating Mode="Single Tone", Operating Temperature="-20°C ~ 60°C", Ratings=Washable, Supplier Part Number 1=433-1047-ND, Voltage Range="2 ~ 4V", Approvals=-, Category="Audio Products", ComponentLink1Description=http://cirlw3yrzg4afc1x47lv2k18.wpengine.netdna-cdn.com/wp-content/uploads/2016/12/WST-1203UX-new.pdf, ComponentLink1URL=http://cirlw3yrzg4afc1x47lv2k18.wpengine.netdna-cdn.com/wp-content/uploads/2016/12/WST-1203UX-new.pdf, Driver Circuitry="Indicator, Internally Driven", Duration=-, Height - Seated (Max)="0.303\" (7.70mm)", Input Type="Zero-Peak Signal", Manufacturer Part Number 1=WST-1203UX, Mounting Type="Through Hole", Packaging=Tray, Part Description="Buzzers Indicator, Internally Driven Magnetic 3V 30mA 2.3kHz 82dB @ 3V, 10cm Through Hole PC Pins", Part Status=Active, Port Location=Top, Pricing 1="1=1.41, 10=1.117, 25=1.0176, 50=0.9516, 100=0.8855, 250=0.80852, 500=0.7535, 1000=0.704, 5000=0.6875 (USD)", RoHS="RoHS Compliant", Size / Dimension="0.472\" Dia (12.00mm)", Sound Pressure Level (SPL)="82dB @ 3V, 10cm", Stock 1=22696, Supplier 1=Digi-Key, Technology=Magnetic, Termination="PC Pins"
C1 C26 C35 C56 C57 C62 C64 C71 C92 C99 C115 C126 C136 C137 C156 C157 C184 C185 C209 C210: library part Cap_0402, "CAP CER 1UF 10V X5R 0402", Manufacturer=Yageo, Manufacturer Part Number 1=CC0402MRX5R6BB105, Operating Temperature="-55°C ~ 85°C", Package / Case="0402 (1005 Metric)", Ratings=-, Supplier Part Number 1=311-1732-1-ND, Temperature Coefficient=X5R, Tolerance=±20%, Voltage - Rated=10V, Applications="General Purpose", Category=Capacitors, ComponentLink1Description=http://www.yageo.com/documents/recent/UPY-GPHC_X5R_4V-to-50V_25.pdf, ComponentLink1URL=http://www.yageo.com/documents/recent/UPY-GPHC_X5R_4V-to-50V_25.pdf, Failure Rate=-, Features=-, Height - Seated (Max)=-, Lead Spacing=-, Lead Style=-, Mounting Type="Surface Mount, MLCC", Notification="Current market demand for these product types have resulted in fluctuating and extending lead times. Lead times may differ.", Packaging="Cut Tape (CT)", Part Description="1µF 10V Ceramic Capacitor X5R 0402 (1005 Metric) 0.039\" L x 0.020\" W (1.00mm x 0.50mm)", Part Status=Active, Pricing 1="1=0.22, 10=0.156, 100=0.0732, 500=0.0513, 1000=0.04248, 2500=0.03953, 5000=0.03617 (USD)", RoHS="RoHS Compliant", Size / Dimension="0.039\" L x 0.020\" W (1.00mm x 0.50mm)", Stock 1=69600, Supplier 1=Digi-Key, Thickness (Max)="0.022\" (0.55mm)"
C2 C3 C4 C6 C22 C25 C76 C78 C80 C82: library part Cap_1206, Manufacturer="TDK Corporation", Manufacturer Part Number 1=C3216X6S1A476M160AC, Operating Temperature="-55°C ~ 105°C", Package / Case="1206 (3216 Metric)", Ratings=-, Supplier Part Number 1=445-6010-1-ND, Temperature Coefficient=X6S, Tolerance=±20%, Voltage - Rated=10V, Applications="General Purpose", Category=Capacitors, Failure Rate=-, Features="Low ESL", Height - Seated (Max)=-, Lead Spacing=-, Lead Style=-, Mounting Type="Surface Mount, MLCC", Notification="Current market demand for these product types have resulted in fluctuating and extending lead times. Lead times may differ.", Packaging="Cut Tape (CT)", Part Description="47µF ±20% 10V Ceramic Capacitor X6S 1206 (3216 Metric)", Part Status=Active, RoHS="RoHS Compliant", Size / Dimension="0.126\" L x 0.063\" W (3.20mm x 1.60mm)", Supplier 1=Digi-Key, Thickness (Max)="0.071\" (1.80mm)"
  C4 C6: Assembly Info=NF
C5 C60 C61 C128 C129 C130 C132: library part Cap_0402, Capacitance=22pF, Manufacturer=Yageo, Manufacturer Part Number 1=CC0402JRNPO9BN220, Operating Temperature="-55°C ~ 125°C", Package / Case="0402 (1005 Metric)", Ratings=-, Supplier Part Number 1=311-1018-2-ND, Temperature Coefficient="C0G, NP0", Tolerance=±5%, Voltage - Rated=50V, Applications="General Purpose", Category=Capacitors, Features=-, Height - Seated (Max)=-, Lead Spacing=-, Lead Style=-, Mounting Type="Surface Mount, MLCC", Packaging="Tape & Reel (TR)", Part Description="22pF ±5% 50V C0G, NP0 Ceramic Capacitor -55°C ~ 125°C Surface Mount, MLCC 0402 (1005 Metric) 0.039\" L x 0.020\" W (1.00mm x 0.50mm)", RoHS="RoHS Compliant", Size / Dimension="0.039\" L x 0.020\" W (1.00mm x 0.50mm)", Supplier 1=Digi-Key, Thickness (Max)="0.022\" (0.55mm)"
  C5: Assembly Info=NF
C7 C8 C10 C13 C15 C16 C18 C19 C21 C23 C24 C27 C29 C30 C31 C32 C40 C50 C51 C53 C54 C55 C58 C59 C63 C65 C66 C67 C68 C69 C70 C72 C75 C77 C81 C83 C84 C87 C88 C89 C90 C93 C97 C100 C105 C106 C109 C110 C118 C123 C138 C140 C160 C162 C176 C177 C178 C179 C180 C181 C182 C183 C215 C227 C235: library part Cap_0402, Capacitance="0.1 uF", Case Code - in=0402, Case Code - mm=1005, Case Height="0.5 mm", Case Length="1 mm", Dielectric=X7R, Manufacturer="Murata Electronics", Manufacturer Part Number=GRM155R71C104KA88D, Maximum Operating Temperature="+ 125 C", Minimum Operating Temperature="- 55 C", Operating Temperature Range="- 55 C to + 125 C", Package / Case="0402 (1005 metric)", Supplier Part Number 1=81-GRM155R71C104KA88, Temperature Coefficient / Code="+/- 15 %", Tolerance="10 %", Voltage Rating DC="16 V", Brand="Murata Electronics", Case Width="0.5 mm", Category="Multilayer Ceramic Capacitors MLCC - SMD/SMT", Manufacturer Part Number 1=GRM155R71C104KA88D, Minimum Order Quantity=1, Packaging=Reel, Part Description="0.10µF ±10% 16V Ceramic Capacitor X7R 0402 (1005 Metric)", Product="General Type MLCCs", Product Category="Low & Medium Capacitance SMD Ceramic Chip Capacitors", Reeling=True, RoHS="RoHS Compliant", RoHS - Mouser=Y, Series=GRM, Standard Pack Qty=10000, Supplier 1=Mouser, Termination Style=SMD/SMT, Type="General Purpose MLCC"
  C19 C32 C77 C83 C90 C97 C105 C106 C118 C180 C181 C182 C183: Assembly Info=NF
C9 C14 C52 C133: library part Cap_0603, Capacitance="0.1 uF", Case Code - in=0402, Manufacturer="Murata Electronics", Manufacturer Part Number=GRM155R71C104KA88D, Supplier Part Number 1=81-GRM155R71C104KA88, Temperature Coefficient / Code="+/- 15 %", Tolerance="10 %", Voltage Rating DC="16 V", Brand="Murata Electronics", Category="Multilayer Ceramic Capacitors MLCC - SMD/SMT", Manufacturer Part Number 1=GRM155R71C104KA88D, Part Description="0.10µF ±10% 16V Ceramic Capacitor X7R 0402 (1005 Metric)", Supplier 1=Mouser, Type="General Purpose MLCC"
  C133: Assembly Info=NF
C11 C85: library part Cap_0603, Capacitance=10µF, Manufacturer=Yageo, Manufacturer Part Number 1=GRM188R61C106MA73D, Operating Temperature="-55°C ~ 85°C", Package / Case="0603 (1608 Metric)", Ratings=-, Supplier Part Number 1=490-7201-2-ND, Temperature Coefficient=X5R, Tolerance=±20%, Voltage - Rated=16V, Applications="General Purpose", Category=Capacitors, Features=-, Height - Seated (Max)=-, Lead Spacing=-, Lead Style=-, Mounting Type="Surface Mount, MLCC", Packaging="Tape & Reel (TR)", Part Description="10µF ±20% 16V Ceramic Capacitor X5R 0603 (1608 Metric)", RoHS="RoHS Compliant", Size / Dimension="0.063\" L x 0.031\" W (1.60mm x 0.80mm)", Supplier 1=Digi-Key, Thickness (Max)="0.039\" (1.00mm)"
C12 C20 C211 C212: library part Cap_0603, Capacitance="0.1 uF", Case Code - in=0402, Manufacturer="Murata Electronics", Manufacturer Part Number=GRM155R71C104KA88D, Maximum Operating Temperature="+ 125 C", Minimum Operating Temperature="- 55 C", Operating Temperature Range="- 55 C to + 125 C", Package / Case="0402 (1005 metric)", Supplier Part Number 1=81-GRM155R71C104KA88, Temperature Coefficient / Code="+/- 15 %", Tolerance="10 %", Voltage Rating DC="16 V", Brand="Murata Electronics", Category="Multilayer Ceramic Capacitors MLCC - SMD/SMT", Manufacturer Part Number 1=GRM155R71C104KA88D, Minimum Order Quantity=1, Packaging=Reel, Part Description="0.10µF ±10% 16V Ceramic Capacitor X7R 0402 (1005 Metric)", Product="General Type MLCCs", Product Category="Low & Medium Capacitance SMD Ceramic Chip Capacitors", Reeling=True, RoHS="RoHS Compliant", RoHS - Mouser=Y, Series=GRM, Standard Pack Qty=10000, Supplier 1=Mouser, Termination Style=SMD/SMT, Type="General Purpose MLCC"
C17 C28 C39 C74 C79 C107 C108 C172 C173 C174 C175 C223 C232: library part Cap_0402, Capacitance=1, Capacitance Tolerance="± 10%", Ceramic Capacitor Case="0402 [1005 Metric]", Dielectric Characteristic=X6, Manufacturer=Yageo, Manufacturer Part Number 1=CC0402MRX5R6BB105, Supplier Part Number 1=311-1732-1-ND, Voltage Rating=10, MSL=-, Part Description="1µF 10V Ceramic Capacitor X5R 0402 (1005 Metric) 0.039\" L x 0.020\" W (1.00mm x 0.50mm)", Product Range="TDK - C Series", RoHS=YES, Supplier 1=Digi-Key
  C107 C108: Assembly Info=NF